# KiCad board Module_16S.kicad_pcb (continued)
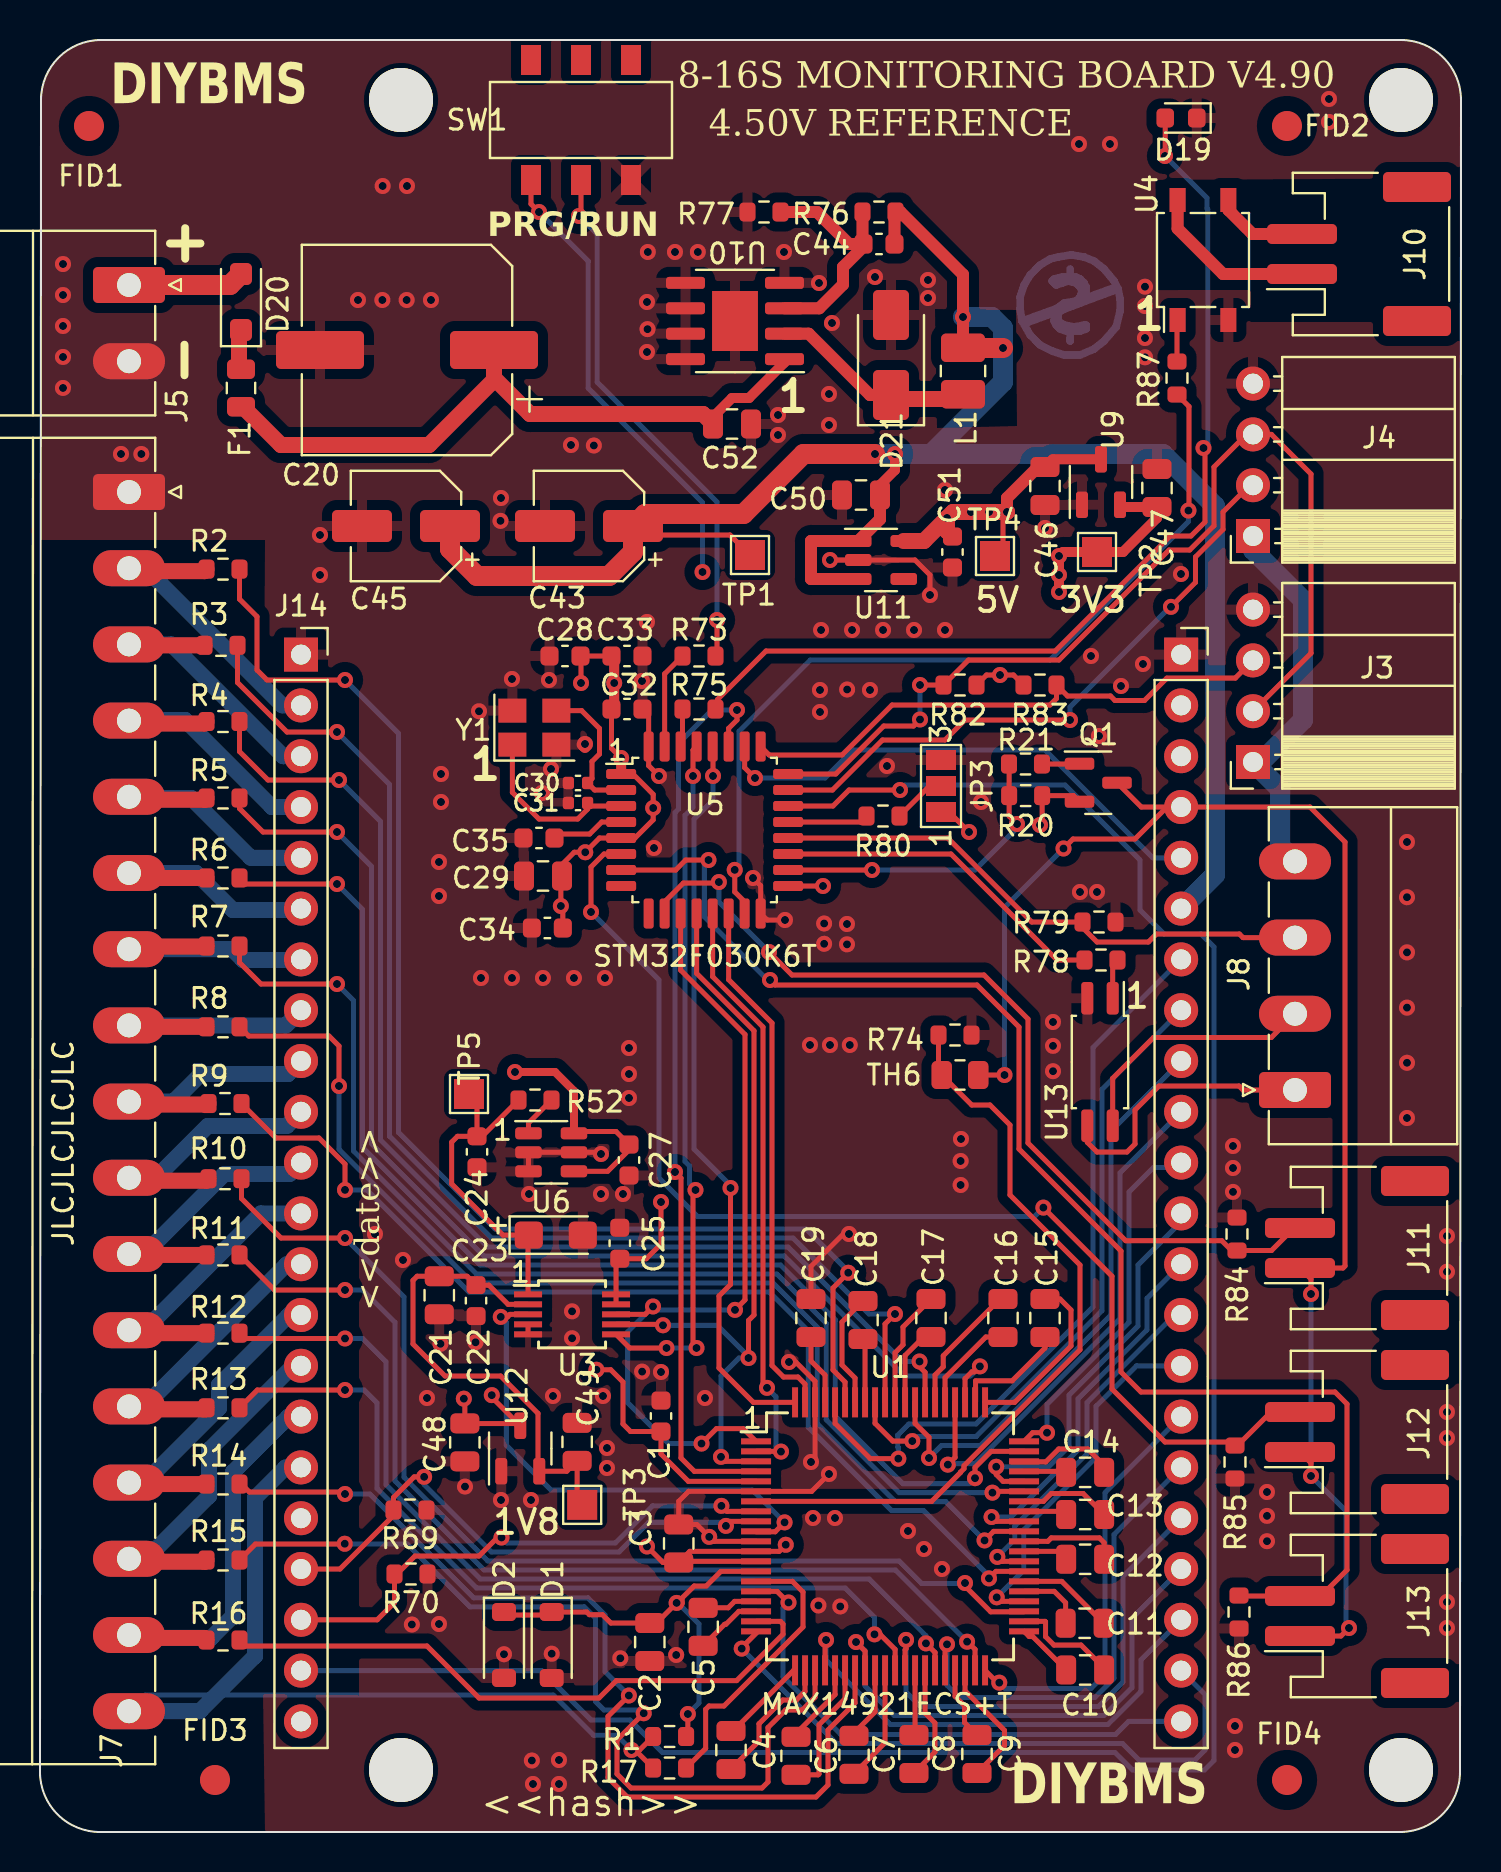
[diagram p0: board, top side]
## Nets
3V3_ADC_CS: U3.6 U5.29
3V3_AFE_CS: U1.80 U5.28
3V3_SAMPLE_AFE: U1.4 U5.27
3V3_SPI_SCLK: U1.1 U3.8 U5.11
3V3_SPI_SDI: U1.2 U5.13
3V3_SPI_SDO: U1.3 U3.7 U5.12
+1V8: C21.1 C22.1 C49.1 TP3.1 U3.2 U12.2
+3.3V: C1.1 C25.1 C28.2 C29.2 C32.2 C33.2 C34.2 C47.1 J3.1 J4.1 J8.4 J14.22 JP3.1 Q1.2 R20.2 R82.2 R83.2 SW1.1 TP2.1 U1.5 U3.9 U3.10 U5.1 U5.5 U5.17 U9.2
+5V: C3.1 C27.2 C46.1 C48.1 C51.1 TP4.1 U1.12 U1.13 U6.4 U6.6 U9.3 U11.5 U12.3
GND: C1.2 C2.2 C3.2 C19.2 C20.2 C21.2 C22.2 C23.2 C24.1 C25.2 C27.1 C28.1 C29.1 C30.1 C31.1 C32.1 C33.1 C34.1 C35.1 C43.2 C45.2 C46.2 C47.2 C48.2 C49.2 C50.2 C51.2 C52.2 D1.2 D2.2 D19.1 D21.2 J3.4 J4.4 J5.2 J7.1 J14.1 J15.1 JP3.3 R69.1 R70.1 R74.1 R77.2 R79.2 R84.2 R85.2 R86.2 SW1.3 U1.6 U1.11 U1.78 U3.4 U3.5 U4.2 U5.16 U5.32 U6.2 U6.3 U6.5 U9.1 U10.4 U10.5 U10.6 U10.7 U10.8 U10.9 U11.2 U12.1 U13.2 Y1.2 Y1.4
/AFE_PWR: C2.1 D1.1 D2.1 R1.1 U1.14
/PowerSupply/VOLTAGE_IN: C20.1 C52.1 F1.2 U10.1
/STM32/ADC_TH3: J12.2 R85.1 U5.6
/STM32/ADC_TH4: J13.2 R86.1 U5.7
/STM32/ADC_TH5: J11.2 R84.1 U5.10
AFE_EN: U1.79 U5.14
AOUT: U1.10 U3.3
BA1: J15.7 U1.76
BA2: J15.8 U1.72
BA3: J15.9 U1.68
BA4: J15.10 U1.64
BA5: J15.11 U1.60
BA6: J15.12 U1.56
BA7: J15.13 U1.52
BA8: J15.14 U1.48
BA9: J15.15 U1.44
BA10: J15.16 U1.40
BA11: J15.17 U1.36
BA12: J15.18 U1.32
BA13: J15.19 U1.28
BA14: J15.20 U1.24
BA15: J15.21 U1.20
BA16: J15.22 U1.16
BAL_EN: J14.21 U5.22
CV1: J7.2 J14.2 R2.2
CV2: J7.3 J14.3 R3.2
CV3: J7.4 J14.4 R4.2
CV4: J7.5 J14.5 R5.2
CV5: J7.6 J14.6 R6.2
CV6: J7.7 J14.7 R7.2
CV7: J7.8 J14.8 R8.2
CV8: J7.9 J14.9 R9.2
CV9: J7.10 J14.10 R10.2
CV10: J7.11 J14.11 R11.2
CV11: J7.12 J14.12 R12.2
CV12: J7.13 J14.13 R13.2
CV13: J7.14 J14.14 R14.2
CV14: J7.15 J14.15 R15.2
CV15: J7.16 J14.16 R16.2
CV16: J7.17 J14.17 R1.2 R17.2
FAN: J15.5 U5.26
PA8: R20.1 R21.1 U5.18
RELAY1: R87.1 U5.15
RX: J8.3 R79.1 U5.20
STEP_DOWN_V: C43.1 C44.1 C45.1 C50.1 J15.6 L1.2 R76.1 TP1.1 U11.1 U11.3
SWCLK_USART_PROG1: J3.2 J4.3 R82.1 U5.24
SWDIO: J4.2 U5.23
T1: J14.19 R69.2 U1.9
T2: J14.20 R70.2 U1.8
T3: R74.2 TH6.2 U1.7
TH_ENABLE: J11.1 J12.1 J13.1 J15.4 Q1.3 TH6.1
TX: R78.1 U5.19
USART_PROG2: J3.3 R83.1 U5.25
VREF: C23.1 C24.2 R52.2 TP5.1 U3.1
Net-(D19-A): D19.2 R75.1
Net-(D20-A): D20.2 J5.1
Net-(D20-K): D20.1 F1.1
Net-(D21-K): D21.1 L1.1 U10.2
Net-(J8-Pin_1): J8.1 U13.3
Net-(J8-Pin_2): J8.2 U13.4
Net-(J10-Pin_1): J10.1 U4.4
Net-(J10-Pin_2): J10.2 U4.3
Net-(JP3-C): JP3.2 R80.2
Net-(Q1-G): Q1.1 R21.2
Net-(R78-Pad2): R78.2 U13.1
Net-(R87-Pad2): R87.2 U4.1
Net-(SW1A-B): R73.1 SW1.2
Net-(U1-CB2): C18.2 U1.74
Net-(U1-CB3): C17.2 U1.70
Net-(U1-CB4): C16.2 U1.66
Net-(U1-CB5): C15.2 U1.62
Net-(U1-CB6): C14.2 U1.58
Net-(U1-CB7): C13.2 U1.54
Net-(U1-CB8): C12.2 U1.50
Net-(U1-CB9): C11.2 U1.46
Net-(U1-CB10): C10.2 U1.42
Net-(U1-CB11): C9.2 U1.38
Net-(U1-CB12): C8.2 U1.34
Net-(U1-CB13): C7.2 U1.30
Net-(U1-CB14): C6.2 U1.26
Net-(U1-CB15): C4.2 U1.22
Net-(U1-CB16): C5.2 U1.18
Net-(U1-CT1): C19.1 U1.77
Net-(U1-CT2): C18.1 U1.73
Net-(U1-CT3): C17.1 U1.69
Net-(U1-CT4): C16.1 U1.65
Net-(U1-CT5): C15.1 U1.61
Net-(U1-CT6): C14.1 U1.57
Net-(U1-CT7): C13.1 U1.53
Net-(U1-CT8): C12.1 U1.49
Net-(U1-CT9): C11.1 U1.45
Net-(U1-CT10): C10.1 U1.41
Net-(U1-CT11): C9.1 U1.37
Net-(U1-CT12): C8.1 U1.33
Net-(U1-CT13): C7.1 U1.29
Net-(U1-CT14): C6.1 U1.25
Net-(U1-CT15): C4.1 U1.21
Net-(U1-CT16): C5.1 U1.17
Net-(U1-CV1): R2.1 U1.75
Net-(U1-CV2): R3.1 U1.71
Net-(U1-CV3): R4.1 U1.67
Net-(U1-CV4): R5.1 U1.63
Net-(U1-CV5): R6.1 U1.59
Net-(U1-CV6): R7.1 U1.55
Net-(U1-CV7): R8.1 U1.51
Net-(U1-CV8): R9.1 U1.47
Net-(U1-CV9): R10.1 U1.43
Net-(U1-CV10): R11.1 U1.39
Net-(U1-CV11): R12.1 U1.35
Net-(U1-CV12): R13.1 U1.31
Net-(U1-CV13): R14.1 U1.27
Net-(U1-CV14): R15.1 U1.23
Net-(U1-CV15): R16.1 U1.19
Net-(U1-CV16): R17.1 U1.15
Net-(U5-BOOT0): R73.2 U5.31
Net-(U5-NRST): C35.2 U5.4
Net-(U5-PA11): R80.1 U5.21
Net-(U5-PB7): R75.2 U5.30
Net-(U5-PF0): C30.2 U5.2 Y1.3
Net-(U5-PF1): C31.2 U5.3 Y1.1
Net-(U6-OUT): R52.1 U6.1
Net-(U10-FB): C44.2 R76.2 R77.1 U10.3

Pads without a net: J10 MP; J11 MP; J12 MP; J13 MP; J14 18; J15 2 3; SW1 4 5 6; U5 8 9; U11 4

## Via types
v1: diameter 0.8, hole 0.4, Top to Bottom, 289 vias

## Routing (per net, layer and track width the routed paths; a pad name or vN(x,y) marks a point on that pad's centre or on a via; arc(x,y) is an arc through that point)
3V3_ADC_CS: length 35
  Top w0.25: v1(32.65,52.8) 32.65,54.09 U5.29 ; U3.6 29.48,24.2 v1(31.33,24.2) ; v1(32.83,24.2) 32.65,24.38 32.65,31.98 v1(32.77,32.1)
  Bottom w0.25: v1(32.77,32.1) 32.48,32.4 32.48,33.3 32.25,33.53 32.25,50.83 32.65,51.23 v1(32.65,52.8) ; v1(32.83,24.2) v1(31.33,24.2)
3V3_AFE_CS: length 37
  Top w0.25: v1(33.65,52.8) 33.65,54.26 ; v1(34.53,32.2) 34.53,27.38 33.95,26.8 33.95,23.2 35.67,21.48 U1.80
  Bottom w0.25: v1(34.53,32.2) 34.53,32.32 32.7,34.15 32.7,50.65 33.65,51.6 v1(33.65,52.8)
3V3_SAMPLE_AFE: length 45.6
  Top w0.25: v1(31.75,33) 32.05,32.7 32.05,18.7 32.72,18.03 U1.4 ; v1(34.85,56.1) 34.85,55.6 34.43,55.18 U5.27
  Bottom w0.25: v1(34.85,56.1) 33.6,56.1 31.93,54.42 31.93,51.15 31.75,50.97 v1(31.75,33)
3V3_SPI_SCLK: length 40.7
  Top w0.25: v1(34.75,26.11) 35.25,26.61 35.25,39.87 32.03,43.09 U5.11 ; v1(33.08,19.42) 33.82,20.17 35.17,20.17 U1.1 ; U3.8 30.26,25.88 v1(30.65,26.28)
  Bottom w0.25: v1(33.08,19.42) 31.43,19.42 29.38,21.47 29.38,25.01 v1(30.65,26.28) 30.82,26.11 v1(34.75,26.11)
3V3_SPI_SDI: length 29.6
  Top w0.25: U1.2 36.85,19.03 36.87,19.02 v1(37.05,19.02) ; v1(36.35,22.21) 36.15,22.41 36.15,40.25 33.63,42.77 U5.13
  Bottom w0.25: v1(36.35,22.21) 36.8,21.76 36.8,19.27 v1(37.05,19.02)
3V3_SPI_SDO: length 38.5
  Top w0.25: v1(34.05,18.76) 34.27,18.53 U1.3 ; v1(31.15,25.34) 31.1,25.38 U3.7 ; U5.12 32.83,42.93 35.7,40.06 35.7,25.85 35.43,25.58 v1(35.43,23.7)
  Bottom w0.25: v1(34.05,18.76) 34.05,22.8 34.95,23.7 v1(35.43,23.7) 35.43,23.77 33.86,25.34 v1(31.15,25.34)
+1V8: length 24.2
  Top w0.25: 24.9,18.1 24.9,20.93 23.03,22.8 20.25,22.8 18.65,24.4 18.65,27.58 18.86,27.79 C21.1 21.36,27.79 C22.1 22.44,27.34 23.4,26.38 U3.2 ; U12.2 26.34,18.04 C49.1 26.86,16.61
+3.3V: length 100.4
  Top w0.25: 29.64,52.9 30.66,51.88 v1(30.66,51.2) 30.66,50.61 29.75,49.7 U5.5 27.98,49.7 v1(27.26,48.99) 26.71,48.99 26.1,48.37 ; C25.1 30.31,28.66 31.05,29.4 v1(31.05,31.5) ; U1.5 32.42,17.53 31.05,18.9 C1.1 29.53,20.02 29.15,20.4 29.15,22.5 28.54,23.11 v1(27.82,23.11) ; v1(24.95,81) 24.55,81.4 SW1.1 ; R82.2 47.33,57.85 v1(48,57.85) 48.68,57.85 R83.2 ; C32.2 28.58,54.18 v1(29.06,53.7) ; C34.2 26.14,46.2 v1(26.04,46.3) 26.04,47.74 ; v1(27.05,57.45) 27.05,58.77 C28.2 C33.2 ; U3.9 U3.10 28.8,28.48 ; v1(39.15,47.3) U5.17 ; Q1.2 51.67,51.82 R20.2 50.11,50.46 v1(50,50.35) ; v1(46.45,50) 45.45,51
  Top w0.5: U9.2 54.11,66.25 C47.1 55.85,65.7 54.15,64 TP2.1 51.15,64 v1(50.95,63.8) v1(50.95,62) ; 28.71,58.66 v1(28.71,57.45) 28.71,56.29 C32.2 ; v1(29.06,53.7) U5.1
  Bottom w0.25: v1(24.95,81) 27.41,78.54 27.41,72.19 33.13,66.47 v1(33.13,63)
  Bottom w1: J8.4 62.01,49.27 62.01,52.14 J3.1 61.05,53.5 63.15,55.6 63.15,61.6 60.65,64.1 J4.1
  vias: v1(50.95,62.85)
+5V: length 43
  Top w0.25: 27.13,33.03 28.38,33.03 29.45,34.1 29.45,34.2 ; C3.1 31.15,13.48 v1(30.35,14.28) ; C3.1 31.99,13.53 U1.13 ; C3.1 32.49,14.03 U1.12 36.96,14.03 v1(37.29,14.36) ; v1(48.35,66) 48.15,65.8 48.15,64.2 ; 29.23,34.59 28.8,35.03 26.79,35.03 ; v1(22.59,21.84) 22.59,21.74 U12.3 ; C48.1 21.24,21.61 v1(21.19,21.67) ; 21.25,20.42 23.91,20.42
  Top w0.4: U6.6 26.7,37.05 25.75,38 v1(23.75,38)
  Top w0.5: U9.3 50.64,68.64 C46.1
  Top w0.6: 49.9,68.25 48.35,66.7 v1(48.35,66)
  Top w0.8: v1(45.35,65.7) 45.35,65.05 C51.1 ; v1(45.35,65.7) 44.2,64.55 U11.5 ; v1(45.35,65.7) 45.65,66 v1(46.55,66) v1(47.45,66) v1(48.35,66)
GND: length 42.1
  Top w0.25: v1(40.45,29.9) 40.17,29.9 38.55,28.28 C19.2 ; v1(39.5,63.6) U11.2 43.75,63.6 44.5,62.85 v1(44.5,61.85) ; v1(28.05,33.9) 27.97,33.98 U6.5 U6.2 U6.3 ; v1(38.55,18.5) 38.75,18.7 U1.78 38.75,22.53 37.79,23.5 v1(37.45,23.5) ; v1(39.45,17.9) 38.58,17.03 U1.6 32.43,17.03 31.94,16.53 C3.2 32.84,15.38 v1(33.46,14.76) 33.69,14.53 U1.11 ; v1(37.25,45.6) 36.36,45.6 U5.16 36.03,47.32 v1(35.65,47.7) ; v1(30.95,52.8) 30.43,53.32 U5.32 30.43,55.84 C32.1 ; U3.4 U3.5
  Top w0.5: 27.25,54.2 27.08,54.37
  vias: v1(1.15,78.4) v1(1.15,76.85) v1(1.15,75.3) v1(1.15,73.75) v1(1.15,72.2) v1(4.05,68.9) v1(5.07,68.9) v1(14,64.85) v1(14,62.85) v1(15.9,76.6) v1(16.75,29.9) v1(17.13,82.3) v1(17.12,76.6) v1(18.15,28.6) v1(18.35,82.3) v1(18.33,76.6) v1(18.59,10.37) v1(19.35,21.7) v1(19.55,76.6) v1(19.95,48.5) v1(19.95,46.8) v1(19.95,10.4) v1(20.05,52.9) v1(20.05,51.5) v1(20.02,24.41) v1(21.25,17.27) v1(21.78,24.48) v1(21.95,56.04) v1(22.05,42.7) v1(23.05,66.7) v1(23.03,65.56) v1(23.05,16.6) v1(23.2,8.89) v1(23.6,57.65) v1(23.6,42.7) v1(24.45,31.9) v1(24.55,16.6) v1(24.59,3.57) v1(24.65,2.4) v1(25.1,51.95) v1(25.15,42.7) v1(25.45,57.6) v1(25.55,53.15) v1(25.59,8.91) v1(25.65,21.8) v1(25.95,3.6) v1(25.95,2.4) v1(26.55,69.35) v1(26.7,42.7) v1(26.6,26.03) v1(26.6,24.69) v1(27.25,54.4) v1(27.69,69.32) v1(28.05,31.9) v1(28.15,21.8) v1(28.25,42.7) v1(28.35,19.2) v1(28.35,18.2) v1(29.02,8.69) v1(29.15,31.9) v1(29.45,39.2) v1(29.45,37.9) v1(29.45,36.7) v1(30.1,57.55) v1(30.11,23.02) v1(30.39,79) v1(30.35,76.5) v1(30.38,75.14) v1(30.35,74) v1(30.35,60.5) v1(30.7,49.2) v1(31.05,23) v1(31.75,79) v1(31.81,8.85) v1(32.89,79) v1(33.25,21.7) v1(36.9,70.85) v1(36.9,69.85) v1(37.2,79) v1(38.5,39.35) v1(38.65,15.7) v1(38.95,77.45) v1(39,57.1) v1(39,56) v1(38.92,11.33) v1(39.05,60.1) v1(39.21,45.43) v1(39.21,44.41) v1(39.45,71.9) v1(39.45,70.35) v1(39.6,75.45) v1(39.5,39.35) v1(39.75,15.7) v1(40.01,11.28) v1(40.36,57.13) v1(40.35,45.4) v1(40.35,44.38) v1(40.49,39.35) v1(40.6,60.1) v1(41.5,57.1) v1(41.75,77.75) v1(42.15,60.1) v1(42.35,53.3) v1(43.4,15.05) v1(43.7,60.1) v1(44.2,14.15) v1(44.4,77.6) v1(44.4,76.7) v1(45.1,13.15) v1(45.25,67.1) v1(45.25,60.1) v1(46.05,34.65) v1(46.03,33.55) v1(46.03,32.35) v1(47.05,51.5) v1(50.25,65.2) v1(50.65,40.5) v1(50.65,39.31) v1(50.65,38.04) v1(51.95,84.4) v1(52,47) v1(52.55,58.8) v1(52.85,47) v1(52.95,54.8) v1(53.5,84.4) v1(54.05,57.3) v1(55.15,58.4) v1(55.25,77.27) v1(55.25,76.3) v1(55.25,74.7) v1(55.25,73.73) v1(57.05,62.9) v1(59.65,34.3) v1(59.65,33.2) v1(59.65,32.01) v1(59.75,5.3) v1(59.75,4.1) v1(61.35,17) v1(61.35,15.81) v1(61.35,14.54) v1(64.45,86.65) v1(64.45,85.5) v1(68.35,49.5) v1(68.35,46.74) v1(68.35,43.98) v1(68.35,41.22) v1(68.35,38.46) v1(68.35,35.7) v1(70.35,29.8) v1(70.35,28.01) v1(70.35,21) v1(70.35,19.7) v1(70.35,11.5) v1(70.35,10.2)
/AFE_PWR: length 21.1
  Top w0.25: 23.35,10.85 25.44,10.85 ; D1.1 27.34,11 27.47,10.87 28.13,10.87 28.54,10.45 30.83,10.45 v1(31.83,11.45) 32.11,11.45 32.11,11.7 32.71,12.3 33.31,12.3 34.05,13.03 U1.14 ; v1(32.39,5.9) 32.39,4.86
  Bottom w0.25: v1(31.83,11.45) 31.9,11.45 32.95,10.4 32.95,6.46 v1(32.39,5.9)
/PowerSupply/VOLTAGE_IN: length 34.7
  Top w0.5: U10.1 37.23,73.47 35.45,71.7 34.6,71.7 33.65,70.75 33.65,70.45
  Top w0.8: C52.1 33.15,70.9 24.5,70.9 22.7,72.7 C20.1 22.7,72.6 19.45,69.35 12.05,69.35 10.15,71.25
/STM32/ADC_TH3: length 60.7
  Top w0.25: U5.6 28.2,48.9 27.55,48.25 v1(27.55,46) ; v1(50.17,31.22) 53.6,27.79 53.6,22.15 56.25,19.5 59.58,19.5 59.75,19.32 59.88,19.32 61.55,21 J12.2
  Bottom w0.25: v1(50.17,31.22) 49.73,30.77 32.88,30.77 30.95,32.7 30.95,42.6 v1(27.55,46)
/STM32/ADC_TH4: length 71.1
  Top w0.25: U5.7 31.78,48.1 32.28,48.6 v1(33.42,48.6) ; R86.1 59.98,11.8 J13.2 64.05,11.8 65.35,13.1 65.35,21.4 64.75,22 55.05,22 54.05,23 54.05,29.05 48.95,34.15 48.95,40.25 46.85,42.35 36.75,42.35 v1(36.5,42.6)
  Bottom w0.25: v1(36.5,42.6) 36.38,42.6 33.22,45.76 33.22,48.39 v1(33.42,48.6)
/STM32/ADC_TH5: length 44.4
  Top w0.25: 59.72,28.94 59.09,29.56 54.29,29.56 49.4,34.45 49.4,40.65 47.2,42.85 37.6,42.85 v1(36.45,44) ; 31.23,46.51 32.17,47.45 33.9,47.45 v1(33.94,47.5) ; R84.1 61.58,29.07 62.7,30.2 J11.2
  Bottom w0.25: v1(36.45,44) 33.94,46.51 v1(33.94,47.5)
AFE_EN: length 26.4
  Top w0.25: U1.79 38.25,22.4 37.9,22.75 37.18,22.75 36.6,23.32 36.6,40.45 34.43,42.62 U5.14
AOUT: length 25.1
  Top w0.25: U3.3 23.5,25.88 23.38,25.76 v1(23.04,25.76) ; v1(37.23,15.48) 36.76,15.01 35.82,15.01
  Bottom w0.25: v1(37.23,15.48) 35.61,17.1 25.55,17.1 23.31,19.34 23.31,25.48 v1(23.04,25.76)
BA1: length 37.8
  Top w0.25: v1(42.92,18.67) 41.52,18.67 39.75,20.43 U1.76
  Bottom w0.25: J15.7 52.65,39.22 52.65,26.25 46.8,20.4 43.44,20.4 42.89,19.85 42.89,19.25 42.92,19.22 v1(42.92,18.67)
BA2: length 32.1
  Top w0.25: U1.72 41.75,20.43 42.64,19.55 v1(43.61,19.55)
  Bottom w0.25: J15.8 53.1,37.13 53.1,26.06 46.81,19.77 43.84,19.77 v1(43.61,19.55)
BA3: length 29.3
  Top w0.25: v1(44.45,18.7) 44.45,19.73 43.75,20.43 U1.68
  Bottom w0.25: J15.9 53.55,35.04 53.55,25.86 47.02,19.32 45.08,19.32 v1(44.45,18.7)
BA4: length 26.5
  Top w0.25: U1.64 45.75,18.73 v1(45.39,18.37)
  Bottom w0.25: J15.10 54,32.95 54,25.67 46.75,18.42 45.44,18.42 v1(45.39,18.37)
BA5: length 18.2
  Top w0.25: v1(50.35,19.96) 49.64,19.96 U1.60
  Bottom w0.25: 57.06,33.23 55.68,33.23 54.45,32 54.45,25.48 50.35,21.38 v1(50.35,19.96)
BA6: length 19.5
  Top w0.25: v1(47.81,18.26) 47.81,17.87 48.15,17.53 U1.56
  Bottom w0.25: v1(47.81,18.26) 50.43,18.26 51.45,19.28 51.45,21.85 54.9,25.3 54.9,28.35 57.06,30.51
BA7: length 18.9
  Top w0.25: v1(47.58,15.75) 47.8,15.53 U1.52
  Bottom w0.25: v1(47.58,15.75) 48.55,15.75 51.9,19.1 51.9,21.66 55.35,25.11 55.35,26.68 J15.13
BA8: length 17.2
  Top w0.25: v1(47.87,13.76) 48.09,13.53 U1.48
  Bottom w0.25: v1(47.87,13.76) 48.74,14.63 48.74,15.3 52.35,18.91 52.35,21.47 56.73,25.85
BA9: length 18.2
  Top w0.25: v1(47.84,11.73) 48.04,11.53 U1.44
  Bottom w0.25: v1(47.84,11.73) 49.19,13.09 49.19,15.11 52.8,18.72 52.8,21.29 54.82,23.31 J15.15
BA10: length 21.1
  Top w0.25: v1(47.96,7.47) 47.87,7.47 U1.40
  Bottom w0.25: v1(47.96,7.47) 48.26,7.17 52.55,7.17 53.25,7.87 53.25,16.96 J15.16
BA11: length 24.3
  Top w0.25: v1(45.35,9.38) 45.25,9.29 U1.36
  Bottom w0.25: v1(45.35,9.38) 45.35,7.34 45.97,6.72 52.74,6.72 53.7,7.69 53.7,14.87 J15.17
BA12: length 25.2
  Top w0.25: v1(43.3,9.6) 43.3,9.16 43.25,9.11 U1.32
  Bottom w0.25: v1(43.3,9.6) 43.3,7 44.03,6.27 52.92,6.27 54.15,7.5 54.15,12.78 J15.18
BA13: length 25.5
  Top w0.25: v1(40.8,9.5) 41.25,9.05 U1.28
  Bottom w0.25: v1(40.8,9.5) 41.26,9.04 41.26,7.29 42.29,6.26 42.29,6.25 42.71,5.82 53.2,5.82 54.6,7.22 54.6,10.69 J15.19
BA14: length 24.7
  Top w0.25: U1.24 39.25,9.55 v1(39.3,9.6)
  Bottom w0.25: J15.20 55.05,8.6 55.05,7.04 53.39,5.37 42.52,5.37 41.84,6.06 41.84,6.08 39.3,8.61 v1(39.3,9.6)
BA15: length 31.3
  Top w0.25: 35.87,10.01 35.09,9.22 v1(35.09,9.17)
  Bottom w0.25: J15.21 58.25,6.88 58.25,4.1 57.75,3.6 54.95,3.6 54.12,4.43 39.83,4.43 v1(35.09,9.17)
BA16: length 26.9
  Top w0.25: v1(37.43,11.48) 37.41,11.48 36.85,12.03 U1.16
  Bottom w0.25: v1(37.43,11.48) 37.15,11.2 37.15,7.76 40.04,4.88 53.78,4.88 54.43,5.53 56.93,5.53
BAL_EN: length 115.1
  Top w0.25: U5.22 39.65,51.3 40.45,52.1 v1(43,52.1)
  Bottom w0.25: J14.21 25.08,8.07 27.55,5.6 29.5,5.6 31.12,3.98 53.75,3.98 54.63,3.1 58.23,3.1 58.7,3.58 58.7,44.25 58.05,44.9 56.2,44.9 55,46.1 55,48.6 51.25,52.35 43.25,52.35 v1(43,52.1)
CV1: length 14.4
  Top w0.8: R2.2 8.22,63.04 4.6,63.04
  Bottom w0.8: 5.26,63.19 12.12,56.33 J14.2
CV2: length 14
  Top w0.8: R3.2 5.17,59.33
  Bottom w0.8: J7.3 6.57,59.38 12.16,53.79 J14.3
CV3: length 14.1
  Top w0.8: 4.6,55.42 8.22,55.42 R4.2
  Bottom w0.8: 4.48,55.6 7.25,55.6 11.6,51.25 J14.4
CV4: length 13.5
  Top w0.8: 4.6,51.61 8.24,51.61 R5.2
  Bottom w0.8: J14.5 10.54,48.71 7.55,51.7 4.51,51.7
CV5: length 12.5
  Top w0.8: R6.2 5.17,47.7
  Bottom w0.8: J7.6 7.8,47.95 9.65,46.1 12.98,46.1
CV6: length 11.8
  Top w0.8: R7.2 8.3,44.27 5.34,44.27
  Bottom w0.8: 13.02,43.6 10.15,43.6 9.61,44.14 J7.7
CV7: length 12.1
  Top w0.8: R8.2 5.14,40.26
  Bottom w0.8: J14.8 12.29,40.33 J7.8
CV8: length 13.3
  Top w0.8: 4.6,36.37 8.37,36.37 R9.2
  Bottom w0.8: J7.9 6.67,36.52 8.05,37.9 12.4,37.9 J14.9
CV9: length 12.7
  Top w0.8: R10.2 8.32,32.56 4.6,32.56
  Bottom w0.8: J14.10 12.34,35.3 8.39,35.3 5.65,32.56
CV10: length 12.9
  Top w0.8: R11.2 5.17,28.85
  Bottom w0.8: 5.21,28.9 9.21,32.9 12.48,32.9 J14.11
CV11: length 14
  Top w0.8: R12.2 4.6,24.94
  Bottom w0.8: 5.21,25.09 11.05,30.93 J14.12
CV12: length 14.5
  Top w0.8: 4.6,21.13 8.25,21.13 R13.2
  Bottom w0.8: J14.13 12.34,28.39 9.47,25.52 9.45,25.52 5.21,21.28
CV13: length 15.1
  Top w0.8: 8.32,17.4 5.14,17.4
  Bottom w0.8: 5.43,17.68 8.95,21.2 8.95,22.35 12.45,25.85 13.24,25.85
CV14: length 16.5
  Top w0.8: 4.6,13.51 8.24,13.51 R15.2
  Bottom w0.8: 5.31,13.66 8.45,16.8 8.45,19.1 12.66,23.31
CV15: length 21
  Top w0.8: R16.2 8.22,9.7 4.6,9.7
  Bottom w0.8: J14.16 12.42,20.77 12.05,20.4 12.05,20.4 9.65,18 9.65,10.8 8.55,9.7 4.6,9.7
CV16: length 47.7
  Top w0.25: R17.2 29.75,4.1 v1(29.57,4.1) 29.98,4.1 R1.2
  Bottom w0.25: v1(29.57,4.1) 28.84,4.84 27.67,4.84 25.66,6.85 5.26,6.85 J7.17
  Bottom w0.8: J7.17 7.99,6.04 10.75,8.8 10.75,16.7 12.28,18.23 J14.17
FAN: length 25.9
  Top w0.25: v1(35.75,52.7) 35.23,53.22 U5.26
  Bottom w0.25: v1(35.75,52.7) 39.25,52.7 40.65,54.1 50.25,54.1 55.64,48.71 J15.5
PA8: length 15.7
  Top w0.25: v1(41.6,48.1) U5.18 ; v1(48.85,50.4) 48.46,50.79 R20.1 48.46,53.39
  Bottom w0.25: v1(48.85,50.4) 48.85,50.2 46.75,48.1 v1(41.6,48.1)
RELAY1: length 42.2
  Top w0.25: v1(34.74,48.11) 34.74,47.01 35.23,46.51 ; v1(57.42,66.07) 57.45,66.1 57.45,71.27 56.85,71.88
  Bottom w0.25: v1(57.42,66.07) 57.42,65.52 50.5,58.6 38.52,58.6 34.95,55.03 34.95,48.32 v1(34.74,48.11)
RX: length 27.9
  Top w0.25: J8.3 60.15,44.72 59.97,44.9 55.82,44.9 55.42,44.5 52.85,44.5 52.13,45.22 R79.1 49.59,45.5 45.39,49.7 U5.20
STEP_DOWN_V: length 107
  Top w0.25: TP1.1 34.5,64.85 30.1,64.85 C43.1
  Top w0.5: C50.1 42,67.35 42.75,68.1 v1(42.75,68.9)
  Top w0.6: C50.1 42,65.64 U11.1 38.55,64.55 38.55,62.65 U11.3 ; C44.1 42.73,80.95 ; L1.2 46.15,77.88 43.03,81 R76.1
  Top w1: v1(48.15,74.2) 46.16,74.2 L1.2 ; C45.1 20.5,64.15 21.85,62.8 28.45,62.8 29.65,64 C43.1 30.25,65.9 35.18,65.9 38.18,68.9 v1(41.75,68.9)
  Bottom w1: v1(46.15,75.75) 47.6,75.75 48.15,75.2 v1(48.15,74.2) 48.15,72.5 44.55,68.9 v1(42.75,68.9) ; v1(41.75,68.9) 56.15,68.9 58.75,66.3 58.75,47.86 J15.6
SWCLK_USART_PROG1: length 49.8
  Top w0.25: v1(44,57.35) R82.1 46.43,58.6 50.95,58.6 56.45,64.1 57.49,64.1 58.7,65.31 58.7,68.25 60.33,69.88 J4.3 61.57,69.88 63.55,67.9 63.55,58.94 J3.2 ; v1(44,55.63) 43.67,55.3 42.19,55.3 39.79,52.9 U5.24
  Bottom w0.25: v1(44,55.63) v1(44,57.35)
SWDIO: length 31.1
  Top w0.25: U5.23 39.63,52.1 42.13,54.6 45.25,54.6 46.25,55.6 v1(51.5,55.6) ; 60.61,67.3 60.45,67.3 59.15,66 59.15,65.13 57.78,63.75 57.78,62.48 v1(56.55,61.26)
  Bottom w0.25: v1(51.5,55.6) 51.5,56.25 56.51,61.26 v1(56.55,61.26)
T1: length 28
  Top w0.25: J14.19 15,13.15 17.68,15.82 ; U1.9 34.52,15.53 v1(34.3,15.3) ; 17.68,15.82 R69.2 ; 17.68,15.82 17.68,16.72 18.71,17.76 v1(19.21,17.76)
  Bottom w0.25: v1(19.21,17.76) 19.21,17.37 22.58,14 28.95,14 30.43,15.48 34.12,15.48 v1(34.3,15.3)
T2: length 26.2
  Top w0.25: 17.85,12.9 18.75,13.8 21.95,13.8 22.87,14.72 v1(23.08,14.72) ; U1.8 34.35,16.03 v1(34.07,16.31) ; R70.2 17.73,11.47 16.86,10.61 J14.20
  Bottom w0.25: v1(23.08,14.72) 23.35,14.45 28.76,14.45 30.62,16.31 v1(34.07,16.31)
T3: length 38.4
  Top w0.25: U1.7 44.58,16.53 46.03,17.97 46.03,17.99 46.2,18.17 46.2,18.31 52,24.11 52,28.35 48.5,31.85 48.5,35.35 47.5,36.35 46.59,36.35 TH6.2 ; R74.2 44.93,38.01
TH_ENABLE: length 79.1
  Top w0.25: J12.1 63.55,18.45 v1(63.55,17.8) ; J13.1 65.05,9.8 v1(65.45,10.2) ; v1(48.23,37.85) TH6.1 ; 56.35,51.25 54.75,49.65 51.65,49.65 v1(51.18,49.17) ; v1(63.55,26.9) 63.55,27.65 J11.1 65.15,28.2 65.25,28.3 65.25,49.5 63.5,51.25 J15.4 55.07,51.25 Q1.3
  Bottom w0.25: v1(48.23,37.85) 48.23,46.23 v1(51.18,49.17) ; v1(65.45,10.2) 65.3,10.35 65.3,16.05 v1(63.55,17.8) v1(63.55,26.9)
TX: length 16.7
  Top w0.25: U5.19 45.55,48.9 50.85,43.6 51.95,43.6
USART_PROG2: length 27.3
  Top w0.25: 60.29,58.21 59.77,57.69 56.35,57.69 55.23,56.57 53.75,56.57 53.53,56.8 51.38,56.8 R83.1 50.83,56.67 50.5,56.35 42.6,56.35 40.1,53.85 36.46,53.85 U5.25
VREF: length 16.4
  Top w0.25: C23.1 23.15,29.84 20.58,32.41 20.58,34.49 20.88,34.78 C24.2 ; C24.2 22.11,34.78 R52.2 ; C24.2 21.85,36.5 TP5.1 ; U3.1 24.4,29.81
Net-(D19-A): length 49.6
  Top w0.25: v1(56.25,83.8) 56.26,83.81 D19.2 ; v1(58.17,69.2) 58.25,69.12 58.25,65.5 57.55,64.8 56.51,64.8 50.76,59.05 36.3,59.05 33.88,56.62 33.88,56.25
  Bottom w0.25: v1(56.25,83.8) 58.35,81.7 58.35,81.18 58.39,81.14 58.39,69.42 v1(58.17,69.2)
Net-(D20-A): length 5.8
  Top w1: D20.2 9.5,77.35 J5.1
Net-(D20-K): length 2
  Top w0.8: D20.1 9.95,75 9.95,73.24 F1.1
Net-(D21-K): length 10.1
  Top w0.6: 42.45,71.85 41.5,71.85 38.44,74.91 U10.2
  Top w0.8: 42.7,71.8 42.85,71.65 45.91,71.65 L1.1
Net-(J8-Pin_1): length 13.9
  Top w0.25: J8.1 60.15,37.1 59.95,37.3 55.95,37.3 54.75,36.1 54.75,34.4 54.35,34 52.85,34 52.37,34.48 U13.3
Net-(J8-Pin_2): length 12.8
  Top w0.25: J8.2 61.57,39.72 55.68,39.72 53.64,37.68 U13.4
Net-(J10-Pin_1): length 8.6
  Top w0.6: U4.4 56.88,80.17 59.15,77.9 J10.1
Net-(J10-Pin_2): length 4.7
  Top w0.6: U4.3 59.42,81.1 60.62,79.9 J10.2
Net-(JP3-C): length 2.1
  Top w0.25: R80.2 44.48,52.3
Net-(Q1-G): length 1.9
  Top w0.25: R21.2 51.96,53.4
Net-(R78-Pad2): length 1.7
  Top w0.25: U13.1 53.64,43.36
Net-(R87-Pad2): length 2.1
  Top w0.25: R87.2 56.85,75.57 U4.1
Net-(SW1A-B): length 26.7
  Top w0.25: v1(33.85,60.6) 33.85,58.92 33.75,58.82 ; v1(26.95,80.8) 27.05,80.9 SW1.2
  Bottom w0.25: v1(33.85,60.6) 33.85,66.5 27.86,72.49 27.86,79.89 v1(26.95,80.8)
Net-(U1-CB2): length 5.8
  Top w0.25: C18.2 40.1,25.5 40.1,23.35 40.75,22.7 U1.74
Net-(U1-CB3): length 5.9
  Top w0.25: U1.70 42.75,23.96 43.15,24.36 43.15,25.25 C17.2
Net-(U1-CB4): length 6.5
  Top w0.25: 48,26.65 45.16,23.81 45.16,23.26 44.75,22.85 U1.66
Net-(U1-CB5): length 5.8
  Top w0.25: 46.78,21.51 46.78,22.56 48.61,22.56 50.25,24.2 C15.2
Net-(U1-CB6): length 5.2
  Top w0.25: 48.6,18.51 50.29,18.51 50.94,19.15 52.38,19.15 53.21,18.33
Net-(U1-CB7): length 4.6
  Top w0.25: U1.54 50.17,16.53 50.56,16.92 52.16,16.92 C13.2
Net-(U1-CB8): length 5
  Top w0.25: C12.2 53.21,14.47 52.97,14.71 50.56,14.71 50.39,14.53 U1.50
Net-(U1-CB9): length 4.8
  Top w0.25: C11.2 51.09,12.53 U1.46
Net-(U1-CB10): length 5.4
  Top w0.25: U1.42 50.25,10.53 50.28,10.51 50.28,9.77 50.7,9.35 52.05,9.35 53.21,8.19
Net-(U1-CB11): length 6.5
  Top w0.25: U1.38 46.25,7.05 48.23,5.08 48.23,4.33 C9.2
Net-(U1-CB12): length 5.8
  Top w0.25: C8.2 44.75,4 44.75,5.45 44.25,5.95 U1.34
Net-(U1-CB13): length 5.8
  Top w0.25: C7.2 42.25,4.46 U1.30
Net-(U1-CB14): length 6.9
  Top w0.25: U1.26 40.25,6.66 38.95,5.36 38.95,2.9 38.91,2.86 C6.2
Net-(U1-CB15): length 6.9
  Top w0.25: C4.2 35.95,4.55 35.95,5.41 37.14,6.6 37.82,6.6 38.25,7.03 38.25,8.08
Net-(U1-CB16): length 3.4
  Top w0.25: C5.2 34.23,10.39 34.3,10.39 34.94,11.03 U1.18
Net-(U1-CT1): length 3.6
  Top w0.25: U1.77 39.25,22.85 38.55,23.55 C19.1
Net-(U1-CT2): length 3.1
  Top w0.25: 41.25,24.55 U1.73
Net-(U1-CT3): length 3.7
  Top w0.25: 44.18,24.75 43.25,23.83 U1.69
Net-(U1-CT4): length 5
  Top w0.25: C16.1 47.29,24.75 45.25,22.71 U1.65
Net-(U1-CT5): length 8.8
  Top w0.25: C15.1 51,26.65 51.55,26.1 51.55,24.3 48.73,21.48 U1.61
Net-(U1-CT6): length 2.1
  Top w0.25: 51.26,18.03 U1.57
Net-(U1-CT7): length 1.9
  Top w0.25: 51.15,16.03 U1.53
Net-(U1-CT8): length 2.4
  Top w0.25: U1.49 50.91,14.03 51.43,13.51
Net-(U1-CT9): length 3.3
  Top w0.25: U1.45 50.71,12.03 51.28,11.46 C11.1
Net-(U1-CT10): length 2.9
  Top w0.25: C10.1 49.64,9.77 49.46,9.77 U1.41
Net-(U1-CT11): length 3.7
  Top w0.25: C9.1 46.23,5.47 46.23,6.31 45.75,6.78 U1.37
Net-(U1-CT12): length 3.2
  Top w0.25: 43.75,4.89 U1.33
Net-(U1-CT13): length 3.6
  Top w0.25: U1.29 41.75,6.01 40.7,4.95
Net-(U1-CT14): length 4
  Top w0.25: U1.25 39.75,6.88 37.8,4.93
Net-(U1-CT15): length 4.4
  Top w0.25: 34.65,5.05 37.68,8.08 U1.21
Net-(U1-CT16): length 2.8
  Top w0.25: U1.17 34.73,11.53 34.41,11.21 C5.1
Net-(U1-CV1): length 66.2
  Top w0.25: R2.1 9.98,61.64 10.85,60.77 10.85,58.1 11.35,57.6 v1(15.25,57.6) ; U1.75 40.25,22.5 39.65,23.1 39.65,27.2 v1(40.41,27.96)
  Bottom w0.25: v1(15.25,57.6) 17.93,54.92 17.93,34.98 22.76,30.15 38.3,30.15 40.41,28.04 v1(40.41,27.96)
Net-(U1-CV2): length 62.7
  Top w0.25: R3.1 9.88,57.47 12.35,55 v1(14.85,55) ; U1.71 42.25,25.4 v1(42.75,25.9)
  Bottom w0.25: v1(14.85,55) 17.48,52.38 17.48,34.79 22.57,29.7 37.65,29.7 41.45,25.9 v1(42.75,25.9)
Net-(U1-CV3): length 59.6
  Top w0.25: R4.1 9.98,54.02 11.4,52.6 v1(14.95,52.6) ; U1.67 44.25,22.98 43.98,23.26 v1(43.98,23.52)
  Bottom w0.25: v1(43.98,23.52) 43.13,23.52 37.4,29.25 22.38,29.25 17.03,34.61 17.03,50.52 v1(14.95,52.6)
Net-(U1-CV4): length 59.8
  Top w0.25: v1(14.85,50) 11.15,50 9.98,51.17 R5.1 ; v1(47,23.28) 46.72,23.01 46.59,23.01 46.25,22.67 U1.63
  Bottom w0.25: v1(14.85,50) 16.58,48.27 16.58,34.42 22.2,28.8 37.21,28.8 43.21,22.8 46.51,22.8 v1(47,23.28)
Net-(U1-CV5): length 62.5
  Top w0.25: v1(46.75,17.69) 46.75,18.23 47.56,19.03 U1.59 ; v1(14.85,47.4) 10.28,47.4 R6.1
  Bottom w0.25: v1(46.75,17.69) 46.48,17.42 43.14,17.42 39.76,20.8 39.76,25.61 37.03,28.35 22.01,28.35 16.13,34.23 16.13,46.12 v1(14.85,47.4)
Net-(U1-CV6): length 58.3
  Top w0.25: R7.1 9.98,43.47 11.05,42.4 v1(14.85,42.4) ; U1.55 47.69,17.03 v1(47.62,16.97)
  Bottom w0.25: v1(47.62,16.97) 42.96,16.97 39.31,20.61 39.31,25.43 36.84,27.9 21.82,27.9 15.68,34.05 15.68,41.57 v1(14.85,42.4)
Net-(U1-CV7): length 55.9
  Top w0.25: v1(47.23,14.58) 47.68,15.03 U1.51 ; v1(14.95,37.3) 14.95,39.3 14.45,39.8 10.43,39.8 R8.1
  Bottom w0.25: v1(14.95,37.3) 14.95,34.14 21.64,27.45 36.65,27.45 38.86,25.24 38.86,20.42 42.77,16.52 45.29,16.52 v1(47.23,14.58)
Net-(U1-CV8): length 52.8
  Top w0.25: R9.1 11.8,34.7 13.95,34.7 15.25,33.4 v1(15.25,32.1) ; v1(47.45,12.68) 47.8,13.03 U1.47
  Bottom w0.25: v1(47.45,12.68) 47.45,12.8 44.18,16.07 42.58,16.07 38.41,20.24 38.41,25.05 36.47,27 21.45,27 16.35,32.1 v1(15.25,32.1)
Net-(U1-CV9): length 54
  Top w0.25: v1(46.25,12.45) 46.25,12.3 47.54,11.01 49.18,11.01 ; R10.1 10.08,31.67 12.05,29.7 v1(15.25,29.7)
  Bottom w0.25: v1(46.25,12.45) 46.23,12.42 44.08,12.42 42.96,13.55 22.39,13.55 18.2,17.74 18.2,26.75 v1(15.25,29.7)
Net-(U1-CV10): length 50.6
  Top w0.25: U1.39 46.75,9.13 46.37,9.52 v1(46.36,9.52) ; R11.1 11.73,27.1 v1(15.25,27.1)
  Bottom w0.25: v1(46.36,9.52) 42.77,13.1 22.2,13.1 17.75,17.55 17.75,25.48 16.14,27.1 v1(15.25,27.1)
Net-(U1-CV11): length 45.7
  Top w0.25: v1(15.25,24.67) 10.24,24.67 ; v1(44.3,9.43) 44.75,8.98 U1.35
  Bottom w0.25: v1(44.3,9.43) 44.3,9.81 41.46,12.65 22.02,12.65 17.3,17.37 17.3,23.51 16.14,24.67 v1(15.25,24.67)
Net-(U1-CV12): length 42.6
  Top w0.25: v1(41.72,9.88) 42,9.88 42.76,9.13 42.76,8.09 ; R13.1 10.87,22.1 v1(15.25,22.1)
  Bottom w0.25: v1(15.25,22.1) 16.2,22.1 16.85,21.45 16.85,17.18 21.83,12.2 40.26,12.2 41.72,10.74 v1(41.72,9.88)
Net-(U1-CV13): length 47.9
  Top w0.25: U1.27 40.75,6.45 39.4,5.1 39.4,2.35 38.8,1.75 29.36,1.75 28.4,2.71 28.4,5.78 v1(29.44,6.82) ; 10.07,17.4 10.47,17 15.15,17 v1(15.25,16.9)
  Bottom w0.25: v1(15.25,16.9) 16.49,16.9 21.69,11.71 27.39,11.71 28.25,10.85 28.25,8.02 v1(29.44,6.82)
Net-(U1-CV14): length 45.1
  Top w0.25: v1(15.24,14.41) 15.23,14.4 10.78,14.4 R15.1 ; U1.23 38.75,6.74 38.11,6.1 37.28,6.1 36.4,5.22 36.4,2.5 36.1,2.2 29.55,2.2 28.85,2.9 28.85,4.6 v1(30.19,5.94)
  Bottom w0.25: v1(15.24,14.41) 15.25,14.4 18.36,14.4 21.5,11.26 27.21,11.26 27.78,10.69 27.78,6.52 28.2,6.1 30.03,6.1 v1(30.19,5.94)
Net-(U1-CV15): length 31.6
  Top w0.25: U1.19 37.02,10.53 37.15,10.4 37.15,9.89 34.83,7.57 28.82,7.57 27.95,6.7 21.95,6.7 19.35,9.3 10.28,9.3 R16.1
Net-(U1-CV16): length 14.2
  Top w0.25: R17.1 33.28,4.18 33.28,6.13 33.45,6.3 34.2,6.3 38.15,10.25 38.15,12 37.62,12.53 U1.15
Net-(U5-BOOT0): length 4.9
  Top w0.25: R73.2 31.23,57.91 U5.31
Net-(U5-NRST): length 3.7
  Top w0.25: U5.4 28.09,50.5 27.49,49.9 25.93,49.9 C35.2
Net-(U5-PA11): length 4
  Top w0.25: U5.21 41.03,50.5 R80.1
Net-(U5-PB7): length 1.3
  Top w0.25: R75.2 32.13,54.95 32.03,54.86
Net-(U5-PF0): length 6.7
  Top w0.25: 28.47,52.1 27.73,52.1 C30.2 27.6,52.67 27.6,53.52 27.98,53.9 27.98,55.17 27.08,56.07 Y1.3
Net-(U5-PF1): length 9
  Top w0.25: Y1.1 23.62,51.98 24.95,50.65 26.89,50.65 27.38,51.14 C31.2 27.53,51.3 U5.3
Net-(U6-OUT): length 2.1
  Top w0.25: U6.1 24.42,35.45 R52.1
Net-(U10-FB): length 12.2
  Top w0.6: 37.23,76.18 38.96,76.18 40.15,77.37 40.15,78.25 41.18,79.27 C44.2 40.45,79.4 38.85,81 37.03,81 ; R76.2 41.13,79.45

## Copper pours and planes (outline as drawn; the poured copper is in the pictures)
+3.3V on In2.Cu: 24.93,64.69 24.93,22.59 51.35,22.59 51.51,10.24 0.07,9.91 0.02,0.6 71,0.5 71,68.65 52.5,68.77 52.5,64.69 44.25,64.69 44.25,64.68
+5V on In2.Cu: 7.6,82.01 7.55,70.4 0.59,70.37 0.32,10.53 50.94,10.49 50.94,21.71 24.32,21.71 24.32,65.1 52.02,65.16 52.02,82.1
GND on Top, Bottom: -0.26,89.59 71.15,89.59 71.25,0 -0.16,0
GND on In1.Cu: -0.3,89.15 -0.4,0.9 71.18,0.9 71.28,89.15

## Text on the board
B.Silkscreen: TEST POINT VOLTAGES / TP1=12.0V / TP2=3.3V / TP3=1.8V / TP4=5.0V / TP5=VREF 4.50V | Creative Commons / Attribution-NonCommercial-ShareAlike 2.0 / UK: England & Wales License. / Non-Commercial / You may not use the material for / commercial purposes. | ©2023/24 Stuart Pittaway | ST-LINK | +3V3 | RX | TX1 | TX2 | GND / RX / TX / +3V3 | GND / SWCLK / SWDIO / +3V3 | ABSOLUTE MAXIMUM VOLTAGE +70V | COMMS | UART PROG | 8-16S CELL MONITOR | github.com/stuartpittaway/diyBMSv4 | RELAY | T1 | T2 | T3 | ---(NEG) / C1 / C2 / C3 / C4 / C5 / C6 / C7 / C8 / C9 / C10 / C11 / C12 / C13 / C14 / C15 / C16 / +++ | B+ / B-
F.Silkscreen: + | 1 | STM32F030K6T | MAX14921ECS+T | JLCJLCJLCJLC | 1V8 | 5V | 3V3 | <<hash>> | - | <<date>> | PRG/RUN | 4.50V REFERENCE | 8-16S MONITORING BOARD V4.90 | DIYBMS
